# Altium PCB MailboxSensorV2.PcbDoc (part 2 of 2) (continued)
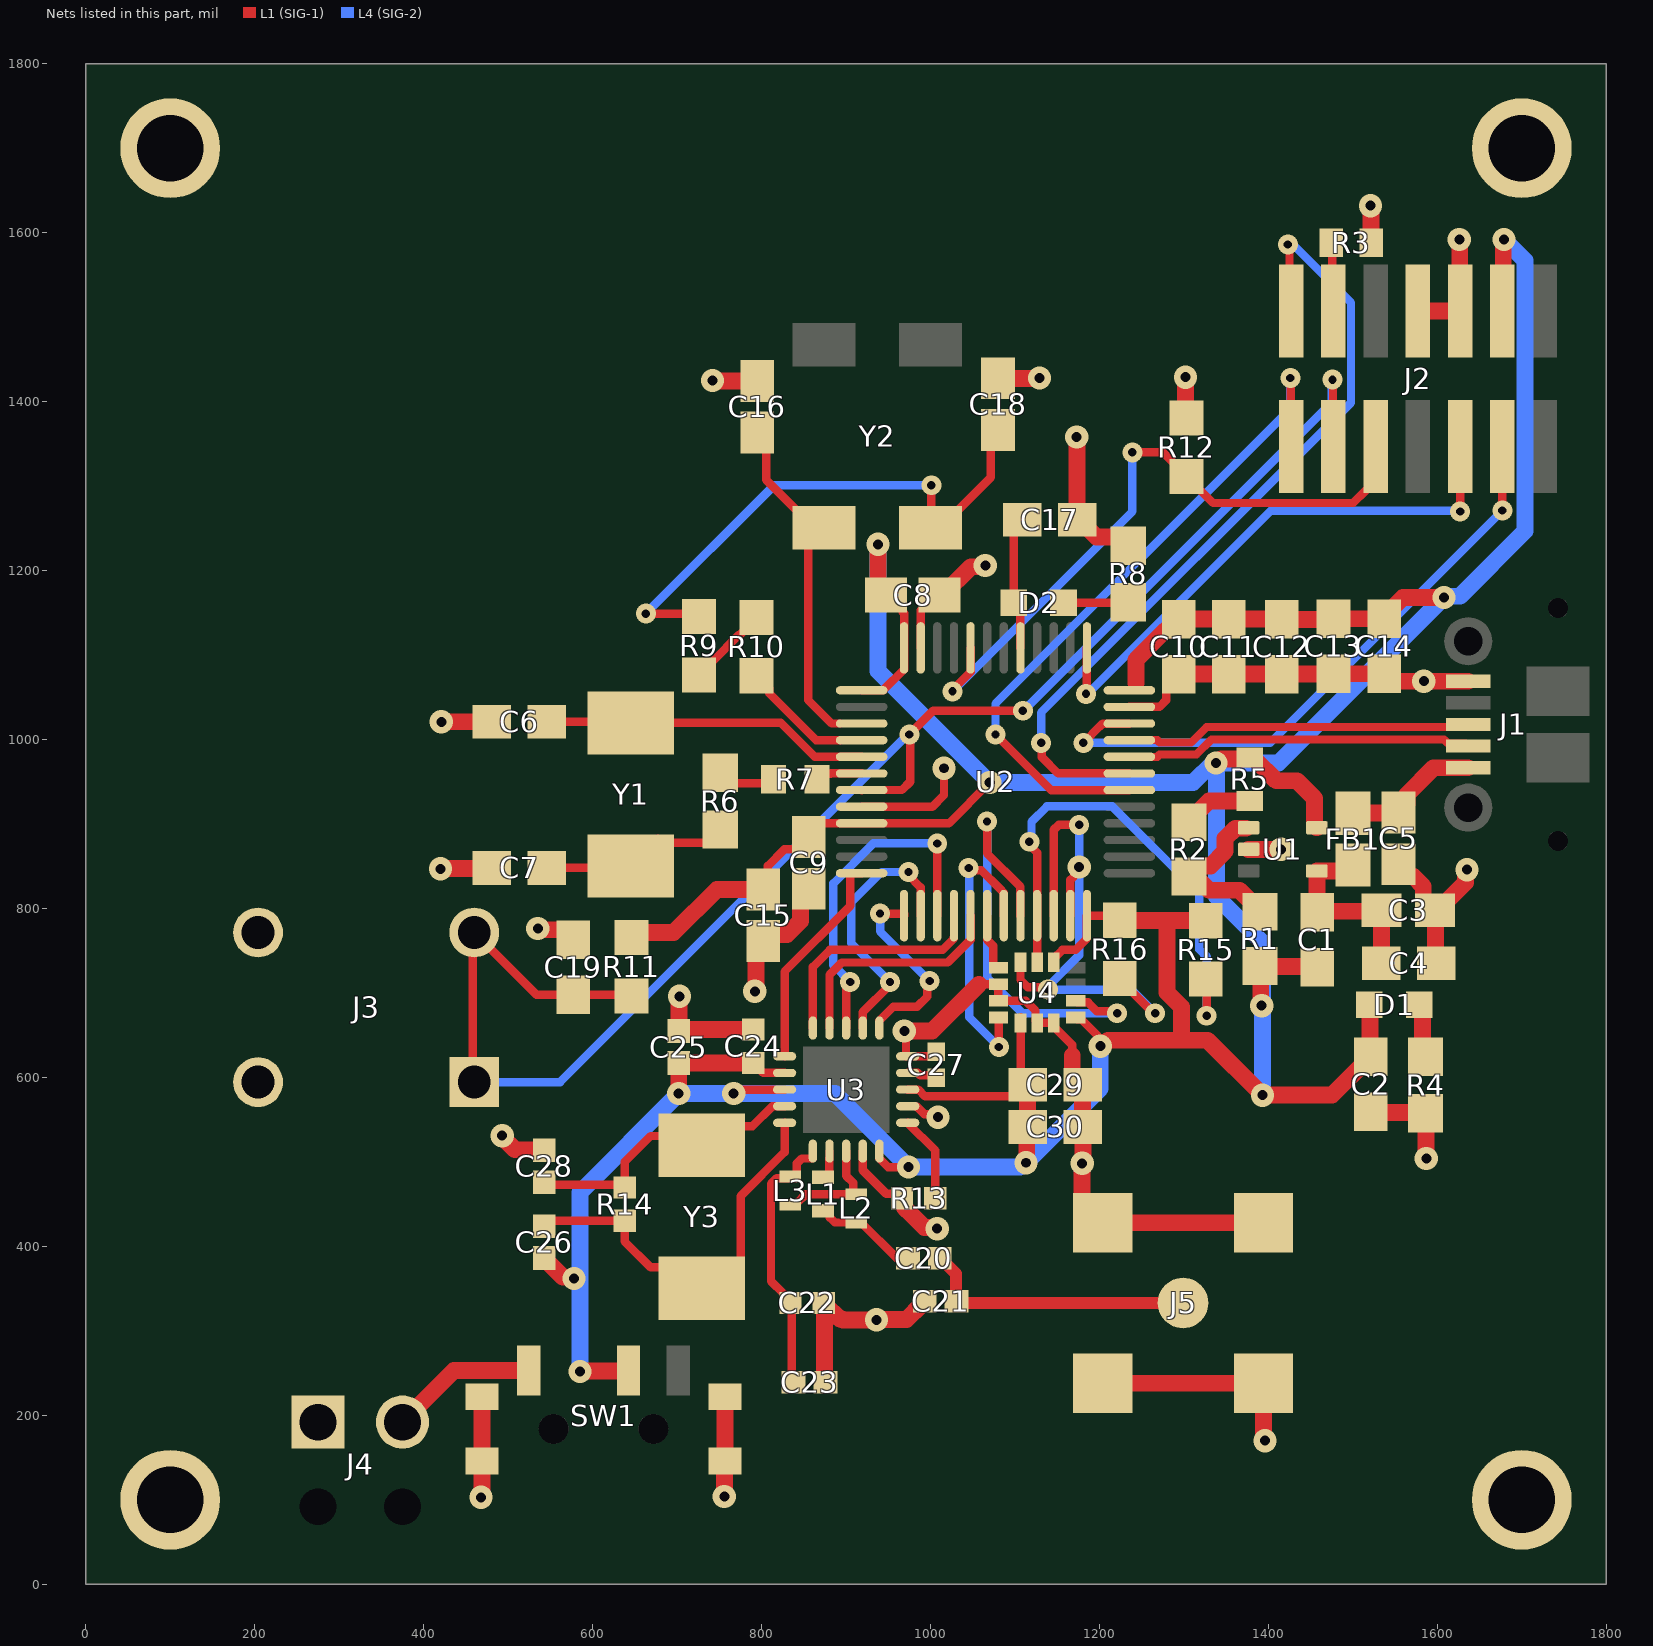
[diagram p4: the nets of this part, all layers, seen from the top]
## Part data (continued)
SW1: library part Slide_Switch, "Slide Switch, SPDT, Latched, 0.3A, 6VDC, Solder Terminal, Surface Mount-right Angle, PCM12SMTR", Contact Current(DC)-Max=300mA, Contact DC Max Rating R Load=.3A@6VDC, Contact Voltage(DC)-Max=6V, Manufacturer="ITT C&K", Manufacturer Part Number=PCM12SMTR, Manufacturer Series=PCM, Max Operating Temperature=85°C, Min Operating Temperature=-10°C, Supplier Part Number=401-2016-1-ND, Additional Feature="Low Profile", Body Breadth=2.6inch, Body Height=1.4mm, Body Length or Diameter=6.7mm, Category="Slide Switches", ComponentLink1Description=https://datasheet.ciiva.com:443/pdfs/VipMasterIC/IC/ITTC/ITTCS01579/ITTCS01579-1.pdf?src-supplier=IHS+Markit, ComponentLink1URL=https://datasheet.ciiva.com:443/pdfs/VipMasterIC/IC/ITTC/ITTCS01579/ITTCS01579-1.pdf?src-supplier=IHS+Markit, ComponentLink2Description=https://datasheet.ciiva.com/5279/pcm-5oct11-24112-5279535.pdf?src-supplier=Mouser, ComponentLink2URL=https://datasheet.ciiva.com/5279/pcm-5oct11-24112-5279535.pdf?src-supplier=Mouser, ComponentLink3Description=https://datasheet.ciiva.com/16174/pcm-30mar11-16174552.pdf?src-supplier=Onlinecomponents.com, ComponentLink3URL=https://datasheet.ciiva.com/16174/pcm-30mar11-16174552.pdf?src-supplier=Onlinecomponents.com, ComponentLink4Description=https://datasheet.ciiva.com/1532/1685524-1532411.pdf?src-supplier=Element14, ComponentLink4URL=https://datasheet.ciiva.com/1532/1685524-1532411.pdf?src-supplier=Element14, ComponentLink5Description=https://datasheet.ciiva.com/16475/pcm12smtr-16475766.pdf?src-supplier=Future+Electronics, ComponentLink5URL=https://datasheet.ciiva.com/16475/pcm12smtr-16475766.pdf?src-supplier=Future+Electronics, ComponentLink6Description=https://datasheet.ciiva.com/2889/pcm-13nov13-2889154.pdf?src-supplier=Digikey, ComponentLink6URL=https://datasheet.ciiva.com/2889/pcm-13nov13-2889154.pdf?src-supplier=Digikey, ComponentLink7Description=https://datasheet.ciiva.com/2889/pcm-13nov13-2889155.pdf?src-supplier=Digikey, ComponentLink7URL=https://datasheet.ciiva.com/2889/pcm-13nov13-2889155.pdf?src-supplier=Digikey, ComponentLink8Description=https://datasheet.ciiva.com/2889/pcm-13nov13-2889156.pdf?src-supplier=Digikey, ComponentLink8URL=https://datasheet.ciiva.com/2889/pcm-13nov13-2889156.pdf?src-supplier=Digikey, JESD-609 Code=e4, Mounting Technology="Surface Mount", Packaging="Tape and Reel", Pricing="1=1.06, 10=1.02, 25=0.9588, 100=0.8283, 250=0.75488, 500=0.70182, 1000=0.65286 (USD)", RoHS=Yes, RoHS Compliant=Yes, Stock=2420, Supplier=Digikey, Switch Action=LATCHED, Switch Function=SPDT, Switch Type="Slide Switch", Terminal Finish=Silver, Termination=Solder
U1: library part 5V_3V3_LDO, "Adjustable Positive LDO Regulator, 1.2V Min, 15V Max, 0.75V Dropout, PMOS, PDSO5, TPS71501DCKR Texas Instruments", Case/Package=TSSOP, Dropout Voltage1-Max=750mV, Dropout Voltage1-Nom=415mV, Input Voltage Absolute-Max=24V, Manufacturer="Texas Instruments", Manufacturer Part Number=TPS71533DCKR, Min Input Voltage=4.05V, Operating Temperature, TJ-Max=125°C, Operating Temperature, TJ-Min=-40°C, Output Current1-Max=50mA, Output Voltage1-Max=3.432V, Output Voltage1-Min=3.168V, Output Voltage1-Nom=3.3V, Package Body Material=Plastic, Package Equivalence Code=TSSOP5/6,.08, Package Shape=Rectangular, Package Style="SMALL OUTLINE, THIN PROFILE, SHRINK PITCHMeter", Peak Reflow Temperature (Cel)=260°C, Supplier Part Number=296-12008-1-ND, Supplier Part Number 1=296-12957-1-ND, Voltage Tolerance-Max=4%, Adjustability=FIXED, Category="Voltage Regulators - Linear", Channels=1, ComponentLink1Description=https://www.ti.com:443/lit/ds/symlink/tps715.pdf?src-supplier=IHS+Markit, ComponentLink1URL=https://www.ti.com:443/lit/ds/symlink/tps715.pdf?src-supplier=IHS+Markit, ComponentLink2Description=https://datasheet.ciiva.com/22700/1835023-22700176.pdf?src-supplier=Element14, ComponentLink2URL=https://datasheet.ciiva.com/22700/1835023-22700176.pdf?src-supplier=Element14, ComponentLink3Description=https://datasheet.ciiva.com/7992/1854688-7992972.pdf?src-supplier=Element14, ComponentLink3URL=https://datasheet.ciiva.com/7992/1854688-7992972.pdf?src-supplier=Element14, ComponentLink4Description=https://datasheet.ciiva.com/34301/1116531-34301990.pdf?src-supplier=Jameco, ComponentLink4URL=https://datasheet.ciiva.com/34301/1116531-34301990.pdf?src-supplier=Jameco, Height - Seated (Max)=1.1mm, JESD-30 Code=R-PDSO-G5, JESD-609 Code=e4, Length=2mm, Line Regulation-Max=0.06%, Line Regulation-Max (%/V)=0.23, Max Supply Voltage=24V, Moisture Sensitivity Level=1, Number of Outputs=1, Packaging="Tape and Reel", Pins=5, Pricing="1=0.88, 10=0.773, 25=0.7264, 100=0.5928, 250=0.55064, 500=0.46864, 1000=0.37491 (USD)", Qualification Status="Not Qualified", Reach SVHC Compliant=Yes, Regulator Type="FIXED POSITIVE SINGLE OUTPUT LDO REGULATOR", RoHS=Yes, RoHS Compliant=Yes, Stock=232813, Supplier=Digikey, Supplier 1=Digikey, Surface Mount=Yes, Technology=PMOS, Terminal Finish=Nickel, Terminal Form="Gull Wing", Terminal Pitch=0.65mm, Terminal Position=DUAL, Width=1.25mm
U2: "RISC Microcontroller, 32-Bit, FLASH, STM32 CPU, 72MHz, CMOS, PQFP48, STM32F103C8T6", Case/Package=LFQFP, Clock Frequency=16MHz, Manufacturer=STMicroelectronics, Manufacturer Part Number=STM32C011F4U6TR, Max Operating Temperature=105°C, Max Supply Current=50mA, Max Supply Voltage=3.6V, Min Operating Temperature=-40°C, Min Supply Voltage=2V, Nominal Supply Voltage=3.3V, Package Body Material=Plastic, Package Equivalence Code=QFP48,.35SQ,20, Package Shape=Square, Package Style="FLATPACK, LOW PROFILE, FINE PITCHMeter", Peak Reflow Temperature (Cel)=260°C, Power Supplies=2.5/3.3V, Supplier Part Number=497-STM32C011F4U6TRCT-ND, Supplier Part Number 1=6124222, Temperature Grade=INDUSTRIAL, Time @ Peak Reflow Temperature-Max (s)=30s, Category=Microcontrollers, ComponentLink1Description=https://datasheet.octopart.com/STM32C011F4U6TR-STMicroelectronics-datasheet-175903386.pdf?src-supplier=Future+Electronics, ComponentLink1URL=https://datasheet.octopart.com/STM32C011F4U6TR-STMicroelectronics-datasheet-175903386.pdf?src-supplier=Future+Electronics, ComponentLink2Description=https://datasheet.ciiva.com:443/pdfs/VipMasterIC/IC/SGST/SGST-S-A0005002368/SGST-S-A0005002368-1.pdf?src-supplier=IHS+Markit, ComponentLink2URL=https://datasheet.ciiva.com:443/pdfs/VipMasterIC/IC/SGST/SGST-S-A0005002368/SGST-S-A0005002368-1.pdf?src-supplier=IHS+Markit, ComponentLink3Description=http://www.farnell.com/datasheets/2283391.pdf?src-supplier=Farnell, ComponentLink3URL=http://www.farnell.com/datasheets/2283391.pdf?src-supplier=Farnell, ComponentLink4Description=http://www.st.com/content/ccc/resource/technical/document/datasheet/24/01/9f/59/f0/83/47/fc/DM00257205.pdf/files/DM00257205.pdf/jcr:content/translations/en.DM00257205.pdf?src-supplier=Digikey, ComponentLink4URL=http://www.st.com/content/ccc/resource/technical/document/datasheet/24/01/9f/59/f0/83/47/fc/DM00257205.pdf/files/DM00257205.pdf/jcr:content/translations/en.DM00257205.pdf?src-supplier=Digikey, ComponentLink5Description=http://www.farnell.com/datasheets/2283391.pdf?src-supplier=Newark, ComponentLink5URL=http://www.farnell.com/datasheets/2283391.pdf?src-supplier=Newark, ComponentLink6Description=https://datasheet.octopart.com/STM32L432KBU6-STMicroelectronics-datasheet-62336852.pdf?src-supplier=SHENGYU+ELECTRONICS, ComponentLink6URL=https://datasheet.octopart.com/STM32L432KBU6-STMicroelectronics-datasheet-62336852.pdf?src-supplier=SHENGYU+ELECTRONICS, ComponentLink7Description=https://datasheet.ciiva.com:443/pdfs/VipMasterIC/IC/SGST/SGST-S-A0001117293/SGST-S-A0001117293-1.pdf?src-supplier=IHS+Markit, ComponentLink7URL=https://datasheet.ciiva.com:443/pdfs/VipMasterIC/IC/SGST/SGST-S-A0001117293/SGST-S-A0001117293-1.pdf?src-supplier=IHS+Markit, ComponentLink8Description=https://datasheet.ciiva.com/15122/getdatasheetpartid-69880-15122076.pdf?src-supplier=Verical, ComponentLink8URL=https://datasheet.ciiva.com/15122/getdatasheetpartid-69880-15122076.pdf?src-supplier=Verical, ComponentLink9Description=https://datasheet.ciiva.com/14100/pustm-arm-microcont-stm32f103-en-14100508.pdf?src-supplier=Distrelec, ComponentLink9URL=https://datasheet.ciiva.com/14100/pustm-arm-microcont-stm32f103-en-14100508.pdf?src-supplier=Distrelec, ComponentLink10Description=https://datasheet.ciiva.com/8054/1730126-8054942.pdf?src-supplier=Element14, ComponentLink10URL=https://datasheet.ciiva.com/8054/1730126-8054942.pdf?src-supplier=Element14, ComponentLink11Description=https://datasheet.ciiva.com/16210/cd00161566-16210248.pdf?src-supplier=Future+Electronics, ComponentLink11URL=https://datasheet.ciiva.com/16210/cd00161566-16210248.pdf?src-supplier=Future+Electronics, ComponentLink12Description=https://datasheet.ciiva.com/48687/001075658-da-01-en-mcu-64kb-mem-stm32f103c8t6-lqfp-48-stm-48687589.pdf?src-supplier=Conrad, ComponentLink12URL=https://datasheet.ciiva.com/48687/001075658-da-01-en-mcu-64kb-mem-stm32f103c8t6-lqfp-48-stm-48687589.pdf?src-supplier=Conrad, Height - Seated (Max)=1.6mm, JESD-30 Code=S-PQFP-G48, JESD-609 Code=e4, Length=7mm, Moisture Sensitivity Level=2, Number of I/O Lines=37, Pins=48, Pricing="1=1.19, 10=1.061, 25=1.0068, 100=0.827, 250=0.77304, 500=0.68316, 1000=0.53934 (USD)", Qualification Status="Not Qualified", Reach SVHC Compliant=Yes, RoHS=No, RoHS Compliant=Yes, Speed=72RPM, Stock=16983, Supplier=Digikey, Supplier 1="Future Electronics", Surface Mount=Yes, Technology=CMOS, Terminal Finish=Nickel, Terminal Form="Gull Wing", Terminal Pitch=0.5mm, Terminal Position=QUAD, Width=7mm
U3: library part nRF_Transceiver, "Telecom IC, PQCC20, NRF24L01P-T", Case/Package=QCCN, Manufacturer="Nordic Semiconductor", Max Operating Temperature=85°C, Min Operating Temperature=-40°C, Nominal Supply Voltage=3V, Package Body Material=Plastic, Package Shape=Square, Package Style="CHIP CARRIERMeter", Supplier Part Number=4823-NRF24L01P-T-ND, Temperature Grade=INDUSTRIAL, Category="RF Receivers, Transceivers", ComponentLink1Description=https://datasheet.ciiva.com:443/pdfs/VipMasterIC/IC/NRSA/NRSAS00057/NRSAS00057-1.pdf?src-supplier=IHS+Markit, ComponentLink1URL=https://datasheet.ciiva.com:443/pdfs/VipMasterIC/IC/NRSA/NRSAS00057/NRSAS00057-1.pdf?src-supplier=IHS+Markit, ComponentLink2Description=https://www.distrelec.biz/Web/Downloads/2_/en/nordic-nrf24l01p_tds.pdf?mime=application%2Fpdf&src-supplier=Distrelec, ComponentLink2URL=https://www.distrelec.biz/Web/Downloads/2_/en/nordic-nrf24l01p_tds.pdf?mime=application%2Fpdf&src-supplier=Distrelec, ComponentLink3Description=http://www.mouser.com/ds/2/297/nRF24L01P-224815.pdf?src-supplier=Mouser, ComponentLink3URL=http://www.mouser.com/ds/2/297/nRF24L01P-224815.pdf?src-supplier=Mouser, ComponentLink4Description=http://www.nordicsemi.com/eng/content/download/2726/34069/file/nRF24L01P_Product_Specification_1_0.pdf?src-supplier=Digikey, ComponentLink4URL=http://www.nordicsemi.com/eng/content/download/2726/34069/file/nRF24L01P_Product_Specification_1_0.pdf?src-supplier=Digikey, ComponentLink5Description=http://www.nordicsemi.com/eng/content/download/2726/34069/file/nRF24L01P_Product_Specification_1_0.pdf?src-supplier=Avnet, ComponentLink5URL=http://www.nordicsemi.com/eng/content/download/2726/34069/file/nRF24L01P_Product_Specification_1_0.pdf?src-supplier=Avnet, ComponentLink6Description=https://www.verical.com/server-webapp/html/getDatasheet?partID=368176&src-supplier=Verical, ComponentLink6URL=https://www.verical.com/server-webapp/html/getDatasheet?partID=368176&src-supplier=Verical, Manufacturer Part Number=NRF24L01P-T, Pins=20, Power Supplies=3V, Pricing="1=2.16, 100=1.86, 500=1.8 (USD)", Qualification Status="Not Qualified", Reach SVHC Compliant=Yes, RoHS=Yes, RoHS Compliant=Yes, Stock=12641, Supplier=Digikey, Supplier 1=Digikey, Supplier Part Number 1=4823-NRF24L01P-T-ND, Surface Mount=Yes, Terminal Form="No Lead", Terminal Pitch=0.5mm, Terminal Position=QUAD
U4: library part IMU, "Accelerometer, LSM6DSR", Manufacturer=STMicroelectronics, Manufacturer Part Number=LSM6DSRTR, Supplier Part Number=497-19479-1-ND, Category="Inertial Measurement Units (IMUs)", ComponentLink1Description=https://datasheet.ciiva.com:443/pdfs/VipMasterIC/IC/SGST/SGST-S-A0008001389/SGST-S-A0008001389-1.pdf?src-supplier=IHS+Markit, ComponentLink1URL=https://datasheet.ciiva.com:443/pdfs/VipMasterIC/IC/SGST/SGST-S-A0008001389/SGST-S-A0008001389-1.pdf?src-supplier=IHS+Markit, ComponentLink2Description=https://www.st.com/resource/en/datasheet/lsm6dsr.pdf?src-supplier=Digikey, ComponentLink2URL=https://www.st.com/resource/en/datasheet/lsm6dsr.pdf?src-supplier=Digikey, Pricing="1=5.91, 10=4.431, 25=3.9392, 50=3.742, 100=3.6436, 500=3.05272, 1000=2.85578 (USD)", RoHS=Yes, RoHS Compliant=Yes, Stock=14511, Supplier=Digikey, Supplier 1=Digikey, Supplier Part Number 1=497-19479-1-ND
Y1: library part 8MHz_Oscillator, "Crystal 8MHz ±20ppm (Tol) ±30ppm (Stability) 18pF FUND 100Ohm 2-Pin Mini-CSMD T/R, ABM7-8.000MHZ-D2Y-T", Manufacturer=Abracon, Manufacturer Part Number=ABM7-8.000MHZ-D2Y-T, Supplier Part Number=535-9831-1-ND, Category=Crystals, ComponentLink1Description=https://datasheet.ciiva.com/1357/1718755-1357277.pdf?src-supplier=Element14, ComponentLink1URL=https://datasheet.ciiva.com/1357/1718755-1357277.pdf?src-supplier=Element14, ComponentLink2Description=https://datasheet.ciiva.com/15116/getdatasheetpartid-722403-15116844.pdf?src-supplier=Verical, ComponentLink2URL=https://datasheet.ciiva.com/15116/getdatasheetpartid-722403-15116844.pdf?src-supplier=Verical, ComponentLink3Description=https://datasheet.ciiva.com/4944/abm7-19096-4944987.pdf?src-supplier=Mouser, ComponentLink3URL=https://datasheet.ciiva.com/4944/abm7-19096-4944987.pdf?src-supplier=Mouser, ComponentLink4Description=https://datasheet.ciiva.com/29998/abm7-29998171.pdf?src-supplier=Avnet, ComponentLink4URL=https://datasheet.ciiva.com/29998/abm7-29998171.pdf?src-supplier=Avnet, ComponentLink5Description=https://datasheet.ciiva.com/16416/abm7-16416924.pdf?src-supplier=Future+Electronics, ComponentLink5URL=https://datasheet.ciiva.com/16416/abm7-16416924.pdf?src-supplier=Future+Electronics, Pricing="1=0.69, 10=0.577, 50=0.519, 100=0.4613, 500=0.4382 (USD)", RoHS=Yes, Stock=52812, Supplier=Digikey, Supplier 1=Digikey, Supplier Part Number 1=535-9831-1-ND
Y2: library part 32_768kHz_Oscillator, "Parallel - Fundamental Quartz Crystal, 0.032768MHz Nom, ABS25-32.768KHZ-T", Frequency Tolerance=20ppm, Load Capacitance=12.5pF, Manufacturer=Abracon, Manufacturer Part Number=ABS25-32.768KHZ-T, Max Operating Temperature=85°C, Min Operating Temperature=-40°C, Operating Frequency-Nom=32.768, Supplier Part Number=535-9166-1-ND, Additional Feature="TAPE AND REEL", Aging="5 PPM/FIRST YEAR", Category=Crystals, ComponentLink1Description=https://datasheet.ciiva.com:443/pdfs/VipMasterIC/IC/ABRC/ABRC-S-A0006623177/ABRC-S-A0006623177-1.pdf?src-supplier=IHS+Markit, ComponentLink1URL=https://datasheet.ciiva.com:443/pdfs/VipMasterIC/IC/ABRC/ABRC-S-A0006623177/ABRC-S-A0006623177-1.pdf?src-supplier=IHS+Markit, Crystal/Resonator Type="PARALLEL - FUNDAMENTAL", Drive Level=1uW, ESR=50kR, JESD-609 Code=e2, Mounting Technology="Surface Mount", Pricing="1=0.5, 10=0.418, 50=0.3764, 100=0.3346, 500=0.3179, 1000=0.26771 (USD)", Reach SVHC Compliant=No, RoHS=Yes, RoHS Compliant=Yes, Stock=334703, Supplier=Digikey, Supplier 1=Digikey, Supplier Part Number 1=535-9166-1-ND, Terminal Finish=Tin
Y3: library part 16MHz_Oscillator, "Crystal 16MHz ±20ppm (Tol) ±30ppm (Stability) 18pF FUND 50Ohm 2-Pin Mini-CSMD T/R, ABM7-16.000MHZ-D2Y-T Abracon", Manufacturer=Abracon, Manufacturer Part Number=ABM7-16.000MHZ-D2Y-T, Supplier Part Number=ABM7-16.000MHZ-D2Y, Supplier Part Number 1=535-9840-1-ND, Category=Crystals, ComponentLink1Description=https://datasheet.ciiva.com/5788/abm7-5788054.pdf?src-supplier=Farnell, ComponentLink1URL=https://datasheet.ciiva.com/5788/abm7-5788054.pdf?src-supplier=Farnell, Pricing="1000=0.385, 2000=0.3775, 4000=0.37, 6000=0.35525, 8000=0.3479, 10000=0.3336, 100000=0.2992 (USD)", RoHS=Yes, Stock=54000, Supplier=Avnet, Supplier 1=Digikey

## Free pads (board coordinates)
  round 118.11 hole 78.74: 3(1700,1700) 4(100,1700) 5(100,100) 6(1700,100)

## Via types
v1: diameter 23.62, hole 9.84, L1 (SIG-1) to L4 (SIG-2), 30 vias
v2: diameter 27.56, hole 11.81, L1 (SIG-1) to L2 (GND-1), 28 vias
v3: diameter 27.56, hole 11.81, L1 (SIG-1) to L4 (SIG-2), 13 vias

## Nets (pads, with @x,y where several pads share a name; then routed paths per layer and width w, separated by ;. In a path a pad name is that pad's centre, name@x,y a point inside that pad or via, vN(x,y) a via of type N, cw(c..) or ccw(c..) an arc to the next point about the centre after c; other vN are vias at no path point)
"50 Ohm RF": C20.1 C21.1 J5.1 | length 328
  L1 (SIG-1) w14.49: C20.1@1011,386 1011.84,386 1030.34,367.5 C21.1@1030.34,335.5 ; C21.1@1030.84,335 1031.68,335 1033.68,333 J5.1@1299,333
+3V3: C2.1 C8.1 C9.1 C10.1 C11.1 C12.1 C13.1 C14.1 C15.1 C24.1 C25.1 C29.1 C30.1 D1.2 J2.3 R5.1 R11.1 R15.1 R16.1 SW1.2 U1.5 U2.1 U2.9 U2.24 U2.36 U2.48 U3.7 U3.15 U3.18 U4.5 U4.8 U4.12 | length 5736.5
  L1 (SIG-1) w10: C24.1@790,617.23 790.08,617.23 802,605.32 U3.7@827.33,605.32 ; C15.1@802,822.59 805.5,819.09 807.5,821.09 807.5,850.5 826.93,869.93 841.34,869.93 C9.1@856,884.59 ; C9.1@856.08,884.51 872.35,900.79 1021.79,900.79 v3(1070,949) ; U2.1@918.54,1058.27 943.97,1058.27 968.73,1083.03 968.73,1149.31 967.2,1150.85 967.2,1155.17 952.9,1169.47 949,1169.47 949,1173.36 C8.1@938,1184.36 ; U3.15@939.61,504.02 949.75,493.88 973.88,493.88 v3(974,494) ; U3.18@973,585.63 985.61,585.63 993.62,577.62 1113.58,577.62 C29.1@1114.95,579 ; U4.5@1107,671.24 1107,599.29 C29.1@1114.95,591.33 ; U4.12@1145.92,736.4 1145.92,740.83 1156.11,751.02 1171.76,751.02 1185.19,764.45 1185.19,791.46 U2.24@1185.27,791.54 U2.24@1185.27,791.54 ; U4.8@1172,670.94 1173.89,669.05 1178.32,669.05 1197.64,649.73 1197.64,640.36 v3(1201,637) ; U2.24@1185.27,784.53 U2.24@1185.27,791.54 ; R16.1@1224,786 1218.46,791.54 U2.24@1185.27,791.54 U2.24@1185.27,791.54
  L1 (SIG-1) w20: v3(585,252) 585.45,252.45 642.02,252.45 SW1.2@642.47,252.9 ; R11.1@646,765.52 651.88,771.4 695.92,771.4 747.12,822.59 C15.1@802,822.59 ; v3(702,581) C25.1@702,617.16 ; C25.1@702.07,617.23 C24.1@790,617.23 ; C8.1@938,1184.36 v3(938,1231) ; v3(1113,499) 1113.98,499.98 1113.98,540.35 C30.1@1114.95,541.33 1114.95,579 C29.1@1114.95,591.33 ; v3(1201,637) 1203.05,637 1210.05,644 1297,644 ; R16.1@1233.58,785.02 1233.58,785.41 1233.92,785.76 1279.84,785.76 ; 1243.17,1066.72 1243.17,1094.46 1272.26,1123.55 1272.36,1123.55 1278.55,1129.74 1284.08,1129.74 1294,1139.66 C10.1@1294,1141.55 ; C10.1@1294,1142.55 C10.1@1294,1141.55 ; R15.1@1326,785.52 1325.76,785.76 1279.84,785.76 ; v3(1338,972.22) 1340.05,972.22 1344.6,976.78 1376.19,976.78 R5.1@1378,978.59 1379.81,976.78 1383.75,976.78 1409.28,951.25 1433.75,951.25 1454.56,930.44 1454.56,897.72 1456.69,895.59 U1.5@1457.35,895.59 ; C11.1@1353,1142.55 1295,1142.55 C10.1@1294,1141.55 ; C11.1@1353.5,1142.05 1354,1142.55 C12.1@1416,1142.55 1416,1142.27 1476.27,1142.27 C13.1@1477,1143 C14.1@1537,1143 1537,1145.89 1559.3,1168.19 v3(1607.81,1168.19) ; D1.2@1519.47,686 1520.24,685.24 1520.24,625.31 C2.1@1521,624.55 1521,621.66 1511.08,611.74 1508.19,611.74 1475.45,579 v3(1393,579) 1328,644 1297,644 ; J2.3@1677,1507.24 1678,1508.24 1678,1591 v3(1679,1592) ; 1279.84,785.76 1279.84,700.66 1297,683.51 1297,644
  L4 (SIG-2) w20: v3(585,252) 585,464 v3(702,581) 887,581 v3(974,494) 1105.95,494 1110.95,499 v3(1113,499) 1201,587 v3(1201,637) ; v3(938,1231) 938,1081 v3(1070,949) 1311,949 1335.53,973.53 1338.42,973.53 1338.42,814.1 1393,759.52 v3(1393,579) ; v3(1338,972.22) 1411.85,972.22 1609.26,1169.63 1626.63,1169.63 1703.81,1246.81 1703.81,1412.52 1703.81,1567.19 v3(1679,1592)
+5V: C1.1 C3.1 C4.1 FB1.1 U1.4 | length 234.5
  L1 (SIG-1) w20: FB1.1@1500,851.45 1492.96,844.41 U1.4@1457.35,844.41 1457.68,844.09 1457.68,795.87 C1.1@1458,795.55 1459.23,796.77 1532.77,796.77 C3.1@1533.73,797.73 ; C4.1@1533.45,735 1533.73,735.27 C3.1@1533.73,797.73 ; C3.1@1534,798 C3.1@1533.73,797.73
ANT1: L1.1 U3.12 | length 36.5
  L1 (SIG-1) w10: L1.1@873,481.88 877.33,481.88 880.4,484.95 880.4,504.02 880.48,504.09 U3.12@880.48,512.8
ANT1_ANT2: C20.2 L1.2 L2.2 | length 126.4
  L1 (SIG-1) w10: L1.2@873,442.12 877.92,442.12 880.99,439.05 880.99,434.13 886.85,428.27 917.91,428.27 960.17,386 C20.2@973.32,386
ANT2: L2.1 L3.1 U3.13 | length 137.6
  L1 (SIG-1) w10: L3.1@834,449.27 835.89,451.16 841.8,451.16 852.37,461.73 L2.1@912,461.73 ; U3.13@900.17,512.8 900.17,483.62 908.35,475.43 L2.1@908.35,461.73
B_LED_C: D1.1 R4.2 | length 64.6
  L1 (SIG-1) w20: D1.1@1578.53,686 1582.26,682.26 1582.26,628.23 R4.2@1586,624.5
BOOT0: J2.10 R12.2 U2.44 | length 796.4
  L1 (SIG-1) w10: v1(1026,1057) 1026,1058.57 1047.47,1080.05 U2.44@1047.47,1108.46 ; v1(1239,1340) 1275.4,1340 1303,1312.4 R12.2@1303,1311.48 1334.48,1280 1500.35,1280 1514.77,1294.42 1527,1306.65 J2.10@1527,1347
  L4 (SIG-2) w10: v1(1026,1057) 1239,1270 v1(1239,1340)
CE: U2.13 U3.1 | length 223
  L1 (SIG-1) w10: U3.1@939.61,667.24 956.19,683.82 984.41,683.82 996.39,695.81 996.39,711.61 v1(999,714.21) ; v1(940.35,794) 968.65,794 968.73,793.92 U2.13@968.73,791.54
  L4 (SIG-2) w10: v1(940.35,794) 940.35,772.87 v1(999,714.21)
DVDD: C27.1 U3.19 | length 36.3
  L1 (SIG-1) w10: U3.19@973,605.32 984.68,605.32 987.67,602.33 1004.31,602.33 C27.1@1007,599.65
FB: R1.1 R2.2 U1.1 | length 193.8
  L1 (SIG-1) w20: R2.2@1306,837.9 1306,839.33 1316.91,850.24 1331.3,850.24 1348.85,867.8 1348.85,882.93 1360.92,895 U1.1@1373.85,895 ; R2.2@1315,836.46 1329.93,821.54 1366,821.54 1377.36,810.17 1390,797.54 R1.1@1390,796.1
GND: C1.2 C2.2 C3.2 C4.2 C5.2 C6.2 C7.2 C8.2 C9.2 C10.2 C11.2 C12.2 C13.2 C14.2 C15.2 C16.2 C17.2 C18.2 C19.2 C21.2 C22.2 C23.2 C24.2 C25.2 C26.1 C27.2 C28.1 C29.2 C30.2 J1.5 J2.5 J2.7 J3.2 J3.4 J4.1 J5.2 J5.3 J5.4 J5.5 pad.3 pad.4 pad.5 pad.6 R1.2 R3.1 R4.1 R8.2 R12.1 R13.1 SW1.4 SW1.5 SW1.6 SW1.7 U1.2 U2.8 U2.23 U2.35 U2.47 U3.8 U3.14 U3.17 U3.20 U4.2 U4.3 U4.6 U4.7 | length 4036.6
  L1 (SIG-1) w10: v2(767,581) 771.75,581 776.38,585.63 U3.8@827.33,585.63 ; U2.8@918.54,920.47 918.61,920.39 1002.18,920.39 1016,934.21 v2(1016,966) ; U3.14@919.85,512.8 919.85,490.07 947.68,462.24 R13.1@958.08,462.24 ; v2(969,655) 971,653 971,625.08 971.08,625 U3.20@973,625 973.08,625.08 1001.76,625.08 C27.2@1007,630.31 ; U3.17@981.78,565.87 983.35,565.87 992.86,556.36 1005.64,556.36 v2(1009,553) ; U2.47@988.42,1108.46 988.42,1152.78 1006.64,1171 C8.2@1010.53,1171 ; 1057.31,710.31 U4.2@1080.46,710.31 ; U4.2@1080.46,707 U4.3@1080.46,690.63 1112.82,690.63 1124.34,679.1 1124.34,666.44 U4.6@1126.23,664.55 U4.7@1145.92,664.55 1145.92,660.12 1154.88,651.16 1155.19,651.16 1167.81,638.54 1167.81,626.02 ; U2.23@1165.58,791.54 1165.66,791.61 1165.66,833.91 1176,844.25 v2(1176,849) ; U2.35@1235.46,1038.58 1271.1,1038.58 1279.08,1046.56 1279.08,1062.53 C10.2@1294,1077.45
  L1 (SIG-1) w20: v2(420,847) 420.5,847.5 479.95,847.5 C7.2@480.45,848 ; v2(421,1021) C6.2@480.45,1021 ; v2(468,103) 469,104 469,108 469.24,108.24 SW1.6@469.24,146.01 SW1.4@469.24,221.99 ; v2(493,531) 493,529.55 508.21,514.34 539.76,514.34 540.42,513.68 C28.1@543,513.68 ; v2(535.21,776.21) 536.66,774.76 567.08,774.76 577,764.84 C19.2@577,763 ; C26.1@543,386.16 543,385.32 564.87,363.45 576.55,363.45 v2(578,362) ; v2(703,696) 702.5,695.5 702.5,655.34 C25.2@702,654.84 703.93,656.77 C24.2@790,656.77 ; v2(742,1425) 742.41,1424.59 C16.2@795,1424.59 ; v3(756,104) 756.32,104.32 756.32,145.68 SW1.7@756.65,146.01 SW1.5@756.65,221.99 ; v2(792,702) 793.45,703.45 793.45,752.86 C15.2@802,761.41 803.54,759.87 812.92,769.26 830.26,769.26 846.08,785.08 846.08,813.49 C9.2@856,823.41 ; C23.2@875.65,238.96 874.71,239.9 C22.2@874.71,331.98 ; v2@938.05,313 v2(936,313) 896.45,313 895.38,314.08 892.61,314.08 C22.2@874.71,331.98 ; v2@938.31,313.26 971.42,313.26 989.08,330.92 989.08,331.76 992.31,335 C21.2@993.16,335 ; R13.1@966.23,457 969.38,453.85 969.38,445.78 977.62,437.55 992.72,422.45 1006.55,422.45 v2(1008,421) ; v2(969,655) 1002,655 1057.31,710.31 ; v2@1009,550.95 v2(1009,553) ; C8.2@1010.53,1171 1014.43,1171 1047.99,1204.55 1063.55,1204.55 v2(1065,1206) ; C18.2@1080,1427.59 1128.59,1427.59 v2(1129,1428) ; 1167.81,626.02 1167.81,601.26 1177.73,591.33 C29.2@1180.05,591.33 C30.2@1180.05,541.33 1180.5,540.88 1180.5,503.33 1179.5,502.33 v2(1179.5,498.33) 1179.5,452.5 J5.2@1204,428 J5.3@1394,428 ; v2(1173,1358) 1173.55,1357.45 C17.2@1173.55,1260 1176.43,1260 1196.76,1239.67 1223.83,1239.67 R8.2@1234,1229.5 ; J5.4@1204,238 J5.5@1394,238 1394,172 v2(1396,170) ; C10.2@1294,1077.45 C11.2@1353,1077.45 1475.86,1077.45 C13.2@1477,1078.6 ; v2(1302,1429) 1302,1381.52 R12.1@1303,1380.52 ; U1.2@1376.65,870 v3(1415,870) ; R1.2@1390,731.9 R1.2@1390.72,731.18 ; v2(1392,685) 1391,686 1391,730.9 R1.2@1390.72,731.18 ; C1.2@1458,730.45 1457.28,731.18 R1.2@1390.72,731.18 ; C13.2@1477,1077.91 C14.2@1537,1077.91 ; C2.2@1521,559.45 1521.98,558.48 1585.02,558.48 1586.5,557 1586.5,504.5 v2(1587,504) ; v2(1521,1632) 1521.62,1631.38 R3.1@1521.62,1588 ; C14.2@1537,1080.79 C14.2@1537,1077.91 ; C5.2@1554,852.41 1554,847.57 1563.92,837.64 1571.64,837.64 1583.35,825.93 1583.35,807.92 1593.28,798 C3.2@1597.14,798 ; J2.7@1577,1507.24 J2.5@1627,1507.24 1626.5,1507.74 1626.5,1591.5 v2(1626,1592) ; C4.2@1598.55,735 1597.84,735.7 1597.84,797.3 C3.2@1597.14,798 ; v2(1635,846) 1633.55,844.55 1633.55,830.55 1601,798 C3.2@1597.14,798 ; J1.5@1636.61,1069 1545.91,1069 C14.2@1537,1077.91 ; C22.2@874.71,331.98 873.77,332.92 C22.2@873.77,333 874.71,332.06 C22.2@874.71,331.98
  other v2: 1584,1069
GND_Detect: J2.11 R3.2 | length 81.8
  L1 (SIG-1) w10: R3.2@1474.38,1588 1475.69,1586.69 1475.69,1508.55 J2.11@1477,1507.24
H_OSC_IN: C6.1 U2.5 Y1.2 | length 475.4
  L1 (SIG-1) w10: C6.1@545.55,1021 Y1.2@643.65,1021 ; U2.5@918.54,979.53 918.46,979.61 884.62,979.61 884.5,979.73 862.84,979.73 822.92,1019.65 Y1.2@645,1019.65 ; Y1.2@645,1019.65 Y1.2@665.91,998.73 ; Y1.2@645,1019.65 Y1.2@665.91,998.73 ; Y1.2@665.91,998.73 679.91,998.73 Y1.2@665.91,998.73
H_OSC_OUT: R7.2 U2.6 | length 57.4
  L1 (SIG-1) w10: R7.2@865.59,953 867.59,951 876.35,959.73 882.1,959.73 882.21,959.84 U2.6@918.54,959.84
H_R_SUM: R6.2 R7.1 | length 70.7
  L1 (SIG-1) w10: R6.2@751,960.5 763.5,948 809.41,948 R7.1@814.41,953
H_XTAL_IN: C7.1 R6.1 Y1.1 | length 315.9
  L1 (SIG-1) w10: C7.1@545.55,848 642.65,848 Y1.1@645,850.35 ; R6.1@751,893.5 735.23,877.74 Y1.1@672.38,877.74 ; Y1.1@645,850.35 Y1.1@672.38,877.74 ; Y1.1@645,850.35 Y1.1@672.38,877.74 ; Y1.1@645,850.35 Y1.1@672.38,877.74 ; Y1.1@672.38,877.74 677.4,882.76 Y1.1@672.38,877.74
I2C_SA0: U2.18 U4.1 | length 69.6
  L1 (SIG-1) w10: U2.18@1067.16,791.54 1067.16,762.84 1074.15,755.85 1074.15,731.89 1076.04,730 U4.1@1080.46,730
I2C_SCL: R15.2 U2.21 U4.13 | length 612.3
  L1 (SIG-1) w10: v1(1117,879) 1117,875.31 1126.21,866.1 U2.21@1126.21,791.54 U4.13@1126.23,736.4 ; R15.2@1326,716.48 1327,715.48 v1(1327,673)
  L4 (SIG-2) w10: v1(1117,879) 1119.61,881.61 1119.61,902.61 1137.81,920.81 1215.19,920.81 1318.42,817.58 1318.42,751.42 1327,742.84 v1(1327,673)
I2C_SDA: R16.2 U2.22 U4.14 | length 600.7
  L1 (SIG-1) w10: U4.14@1106.55,736.4 1106.55,715.45 1115.39,706.61 1136.39,706.61 v1(1139,704) ; U2.22@1145.9,791.54 1145.98,791.61 1145.98,893.14 1151.83,899 v1(1176,899) ; R16.2@1224,716.97 1224,716.05 1264.05,676 v1(1266,676)
  L4 (SIG-2) w10: v1(1176,899) 1176,744.69 1139,707.69 v1(1139,704) 1238,704 v1(1266,676)
INT1: U2.19 U4.4 | length 342.9
  L1 (SIG-1) w10: v1(1045.19,848) 1047.8,845.39 1059.99,845.39 1082.08,823.31 1086.84,818.54 U2.19@1086.84,791.54 ; U4.4@1080.46,670.94 1080.73,670.68 1080.73,636.27 v1(1081,636)
  L4 (SIG-2) w10: v1(1045.19,848) 1046,847.19 1046,671 v1(1081,636)
INT2: U2.20 U4.9 | length 539.3
  L1 (SIG-1) w10: v1(1067,903) 1067,865.21 1106.45,825.76 1106.45,791.61 U2.20@1106.53,791.54 ; U4.9@1172,690.63 1173.89,688.74 1186.56,688.74 1196.69,678.61 1218.39,678.61 v1(1221,676)
  L4 (SIG-2) w10: v1(1067,903) 1067,718 1109,676 v1(1221,676)
IREF: R13.2 U3.16 | length 102.8
  L1 (SIG-1) w10: U3.16@973,546.26 1005.77,513.49 R13.2@1005.77,457
L_OSC_IN: C16.1 U2.3 Y2.4 | length 413.4
  L1 (SIG-1) w10: C16.1@795,1363.41 795,1359.41 797,1357.41 805.43,1348.98 805.43,1307.5 862.2,1250.73 Y2.4@874.01,1250.73 871.07,1247.8 868.14,1244.86 855.22,1231.94 855.22,1046.78 883.02,1018.98 U2.3@893.02,1018.98
L_OSC_OUT: R10.2 U2.4 | length 133.9
  L1 (SIG-1) w10: R10.2@794,1075.48 808.92,1060.56 808.92,1054.86 864.49,999.29 U2.4@893.02,999.29
L_R_SUM: R9.2 R10.1 | length 97.3
  L1 (SIG-1) w10: R9.2@726,1076.48 726,1077.4 740.92,1092.32 741.84,1092.32 773.52,1124 774.4,1124 794,1143.6 R10.1@794,1144.52
L_XTAL_IN: C18.1 R9.1 Y2.1 | length 671.8
  L1 (SIG-1) w10: v1(663,1149) 722.52,1149 R9.1@726,1145.52 ; v1(1001,1301) 1001,1251.74 Y2.1@999.99,1250.73 1011.8,1250.73 1071.57,1310.5 1071.57,1357.98 C18.1@1080,1366.41
  L4 (SIG-2) w10: v1(663,1149) 815,1301 v1(1001,1301)
NIRQ: U2.12 U3.6 | length 262.4
  L1 (SIG-1) w10: U3.6@827.33,625 827.33,725.33 905,803 905,841.65 905.08,841.73 U2.12@918.54,841.73
NRST: C19.1 J2.12 J3.1 J3.3 R11.2 U2.7 | length 1984.2
  L1 (SIG-1) w10: J3.1@458,592.4 458,771.58 J3.3@459.83,773.42 ; J3.3@459.95,771.58 533.63,697.91 644.58,697.91 R11.2@646,696.48 ; U2.7@918.54,940.16 918.61,940.24 966.24,940.24 976,950 976,1005.08 v1(975.04,1006.04) ; v1@976,1007 1003.07,1034.07 v1(1109.3,1034.07) ; v1(1476,1426) 1476.5,1425.5 1476.5,1347.5 J2.12@1477,1347
  L4 (SIG-2) w10: J3.1@446.46,594.42 561.5,594.42 973.13,1006.04 v1(975.04,1006.04) ; v1(1109.3,1034.07) 1110.07,1034.07 1475.19,1399.19 1475.19,1425.19 v1(1476,1426)
R_LED_A: C17.1 D2.2 U2.41 | length 159
  L1 (SIG-1) w10: U2.41@1106.53,1108.46 1106.53,1153.94 D2.2@1098.47,1162 1098.47,1250.02 C17.1@1108.45,1260
R_LED_C: D2.1 R8.1 | length 76.7
  L1 (SIG-1) w10: D2.1@1157.53,1162 1233.5,1162 R8.1@1234,1162.5
R_SUM: R2.1 R5.2 | length 83.3
  L1 (SIG-1) w20: R2.1@1306,902.1 1306,903.54 1329.87,927.41 R5.2@1378,927.41
SPI_CSN: U2.14 U3.2 | length 321.4
  L1 (SIG-1) w10: U3.2@919.85,658.46 919.85,677.38 952,709.53 v1(952,713) ; v1(973.87,843.19) 973.87,839.5 988.34,825.04 988.34,791.61 U2.14@988.42,791.54
  L4 (SIG-2) w10: v1(952,713) 906,759 906,807 942.19,843.19 v1(973.87,843.19)
SPI_MISO: U2.16 U3.5 | length 254.8
  L1 (SIG-1) w10: U3.5@860.8,658.46 860.8,730.8 881.02,751.02 1014.28,751.02 1027.71,764.45 U2.16@1027.71,766.02
SPI_MOSI: U2.17 U3.4 | length 275.7
  L1 (SIG-1) w10: U3.4@880.48,658.46 880.48,721.48 895.02,736.02 1020.5,736.02 1047.47,763 U2.17@1047.47,791.54
SPI_SCK: U2.15 U3.3 | length 409.7
  L1 (SIG-1) w10: U3.3@900.17,658.46 900.17,704.48 905,709.31 v1(905,713) ; v1(1008,877) 1008.05,876.95 1008.05,791.59 U2.15@1008.1,791.54
  L4 (SIG-2) w10: v1(905,713) 885,733 885,829.79 932.21,877 v1(1008,877)
SWCLK: J2.6 U2.37 | length 665.2
  L1 (SIG-1) w10: v1(1184,1054.03) 1185.19,1055.22 1185.19,1108.39 U2.37@1185.27,1108.46 ; v1(1627,1270) J2.6@1627,1347
  L4 (SIG-2) w10: v1(1184,1054.03) 1186.03,1054.03 1403,1271 1626,1271 v1(1627,1270)
SWDIO: J2.4 U2.34 | length 749.9
  L1 (SIG-1) w10: v1(1181,996) 1200.86,1015.86 1203.9,1018.9 U2.34@1235.46,1018.9 ; v1(1677,1271) J2.4@1677,1347
  L4 (SIG-2) w10: v1(1181,996) 1402,996 v1(1677,1271)
USB_D_N: J1.2 U2.32 | length 413
  L1 (SIG-1) w9.47: U2.32@1235.46,979.53 1235.54,979.6 1268.48,979.6 1271.02,982.14 1314.66,982.14 1332.66,1000.14 1607.95,1000.14 1612.71,995.37 1633.47,995.37 J1.2@1636.61,992.23
USB_D_P: J1.3 U2.33 | length 411
  L1 (SIG-1) w9.47: U2.33@1235.46,999.21 1235.54,999.14 1268.48,999.14 1271.02,996.6 1308.67,996.6 1326.67,1014.6 1541.69,1014.6 1604.46,1014.6 1604.53,1014.68 1633.47,1014.68 J1.3@1636.61,1017.82
V_IN: J4.2 SW1.1 | length 174.6
  L1 (SIG-1) w20: J4.2@375,192 435.9,252.9 SW1.1@524.36,252.9
VBUS: C5.1 FB1.2 J1.1 | length 165.7
  L1 (SIG-1) w20: FB1.2@1500,912.55 1500.52,913.07 1553.48,913.07 C5.1@1554,913.59 1563.92,923.51 1563.92,934.92 1595.64,966.64 J1.1@1636.61,966.64
VCP_RX: J2.13 U2.31 | length 985.7
  L1 (SIG-1) w10: v1(1131,996) 1131.96,995.04 1131.96,979.04 1151.16,959.84 U2.31@1235.46,959.84 ; v1(1423,1586) 1425,1584 1425,1509.24 J2.13@1427,1507.24
  L4 (SIG-2) w10: v1(1131,996) 1131,1031.87 1497.81,1398.69 1497.81,1517.19 1429,1586 v1(1423,1586)
VCP_TX: J2.14 U2.30 | length 833.7
  L1 (SIG-1) w10: v1(1077,1006) 1142.84,940.16 U2.30@1235.46,940.16 ; v1(1426,1428) 1426.5,1427.5 1426.5,1347.5 J2.14@1427,1347
  L4 (SIG-2) w10: v1(1077,1006) 1077,1042.5 1426,1391.5 v1(1426,1428)
VDD_PA: C22.1 C23.1 L3.2 U3.11 | length 317.7
  L1 (SIG-1) w10: C23.1@837.96,238.96 836,240.93 836,331.23 826.08,341.15 826.08,344.01 825.88,344.2 825.8,344.2 811.2,358.8 811.2,474.19 817.86,480.84 840.57,480.84 841.73,482 841.73,498.16 847.59,504.02 U3.11@860.72,504.02
XC1: C26.2 R14.2 U3.10 Y3.2 | length 494.4
  L1 (SIG-1) w10: C26.2@543,423.84 549.39,430.23 R14.2@638,430.23 638,406 668.68,375.32 717.81,375.32 Y3.2@742.78,350.35 ; Y3.2@729,350.35 Y3.2@742.78,350.35 ; U3.10@827.33,546.26 827.33,511.53 775.18,459.38 775.18,382.76 Y3.2@742.78,350.35
XC2: C28.2 R14.1 U3.9 Y3.1 | length 353.6
  L1 (SIG-1) w10: C28.2@543,476 546.12,472.88 638,472.88 638,500 668.68,530.68 717.97,530.68 Y3.1@729,519.65 751.76,542.41 789.32,542.41 812.86,565.94 U3.9@827.33,565.94 ; R14.1@634.88,472.88 R14.1@638,469.77
pads on no net: J1.4 J1.6 J1.7 J1.8 J1.9 J1.10 J1.11 J2.1 J2.2 J2.8 J2.9 J4.MH1 J4.MH2 SW1. SW1.3 U1.3 U2.2 U2.10 U2.11 U2.25 U2.26 U2.27 U2.28 U2.29 U2.38 U2.39 U2.40 U2.42 U2.43 U2.45 U2.46 U3.21 U4.10 U4.11 Y2.2 Y2.3

## Polygon pours and split planes (outlines as drawn)
GND on L3 (GND-2) "GND_L03_P001" (solid, pour order 1): 0,1800 0,0 1801,0 1800,1 1800,1800
GND on L2 (GND-1) "GND_L02_P000" (solid, pour order 0): 0,1800 0,0 1800,0 1800,1800

## Silkscreen, mask and mechanical layers (free items; w line width, h text height)
Top Overlay:
  text "Ayush Banerjee July 2024" at 50,1250 h40
Mechanical 1:
  the board outline again, w5